# KiCad board revxlp.kicad_pcb
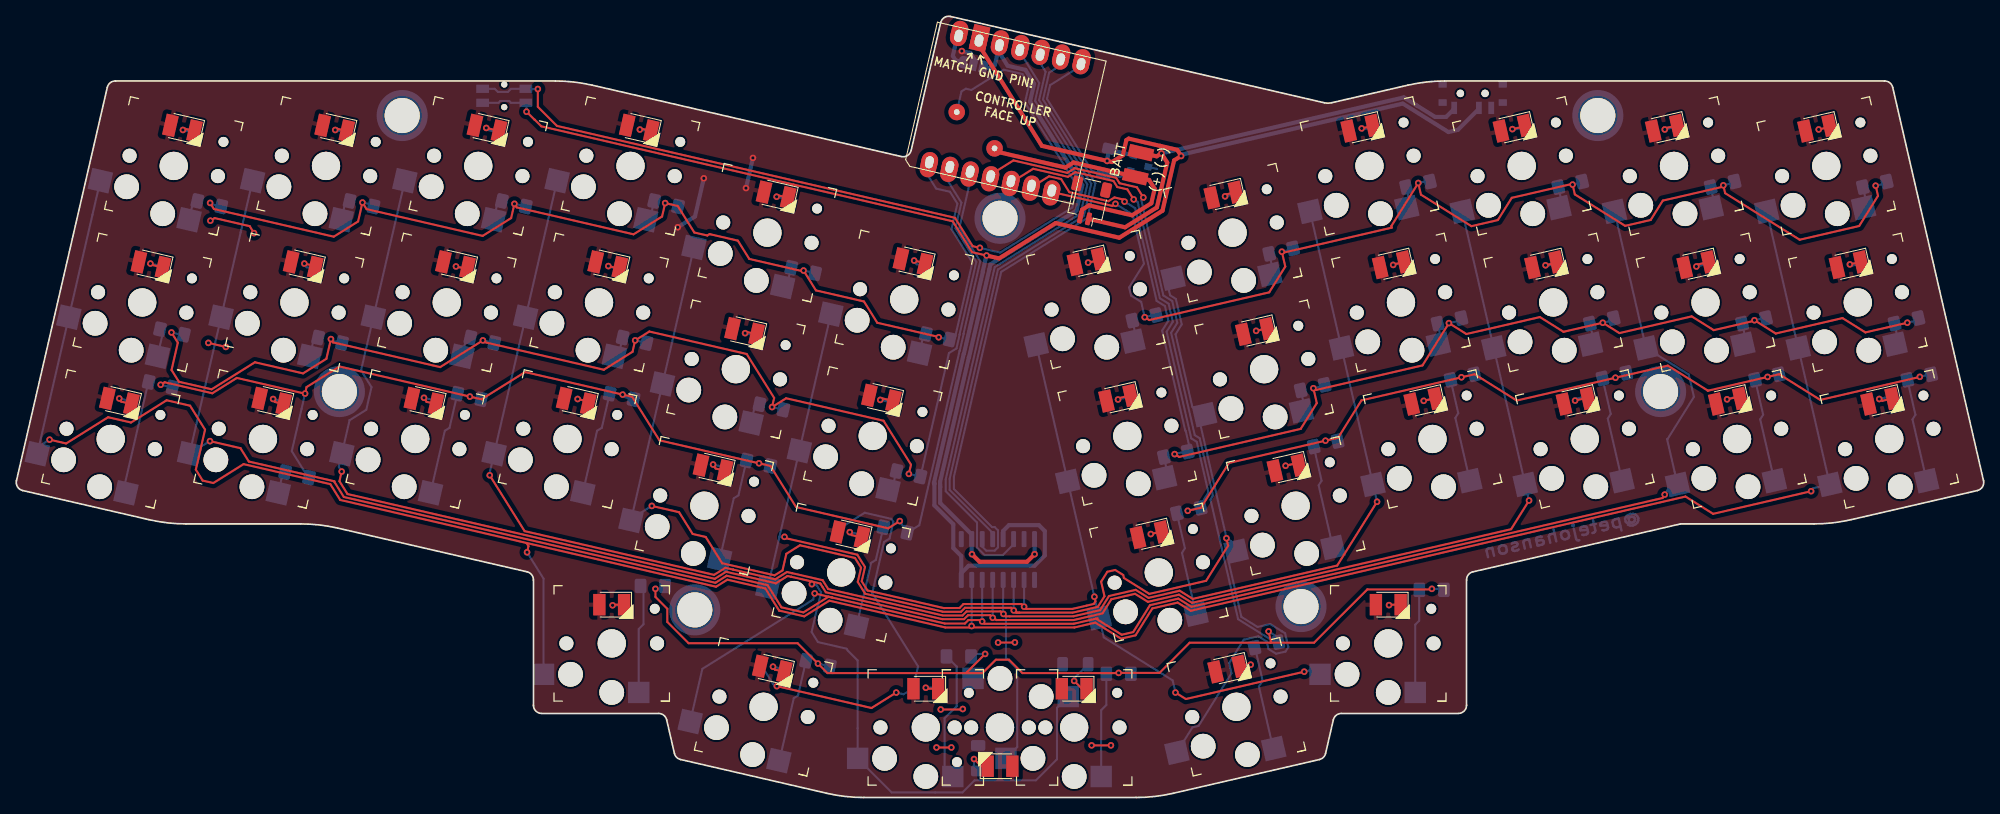
[diagram p0: board, top side]
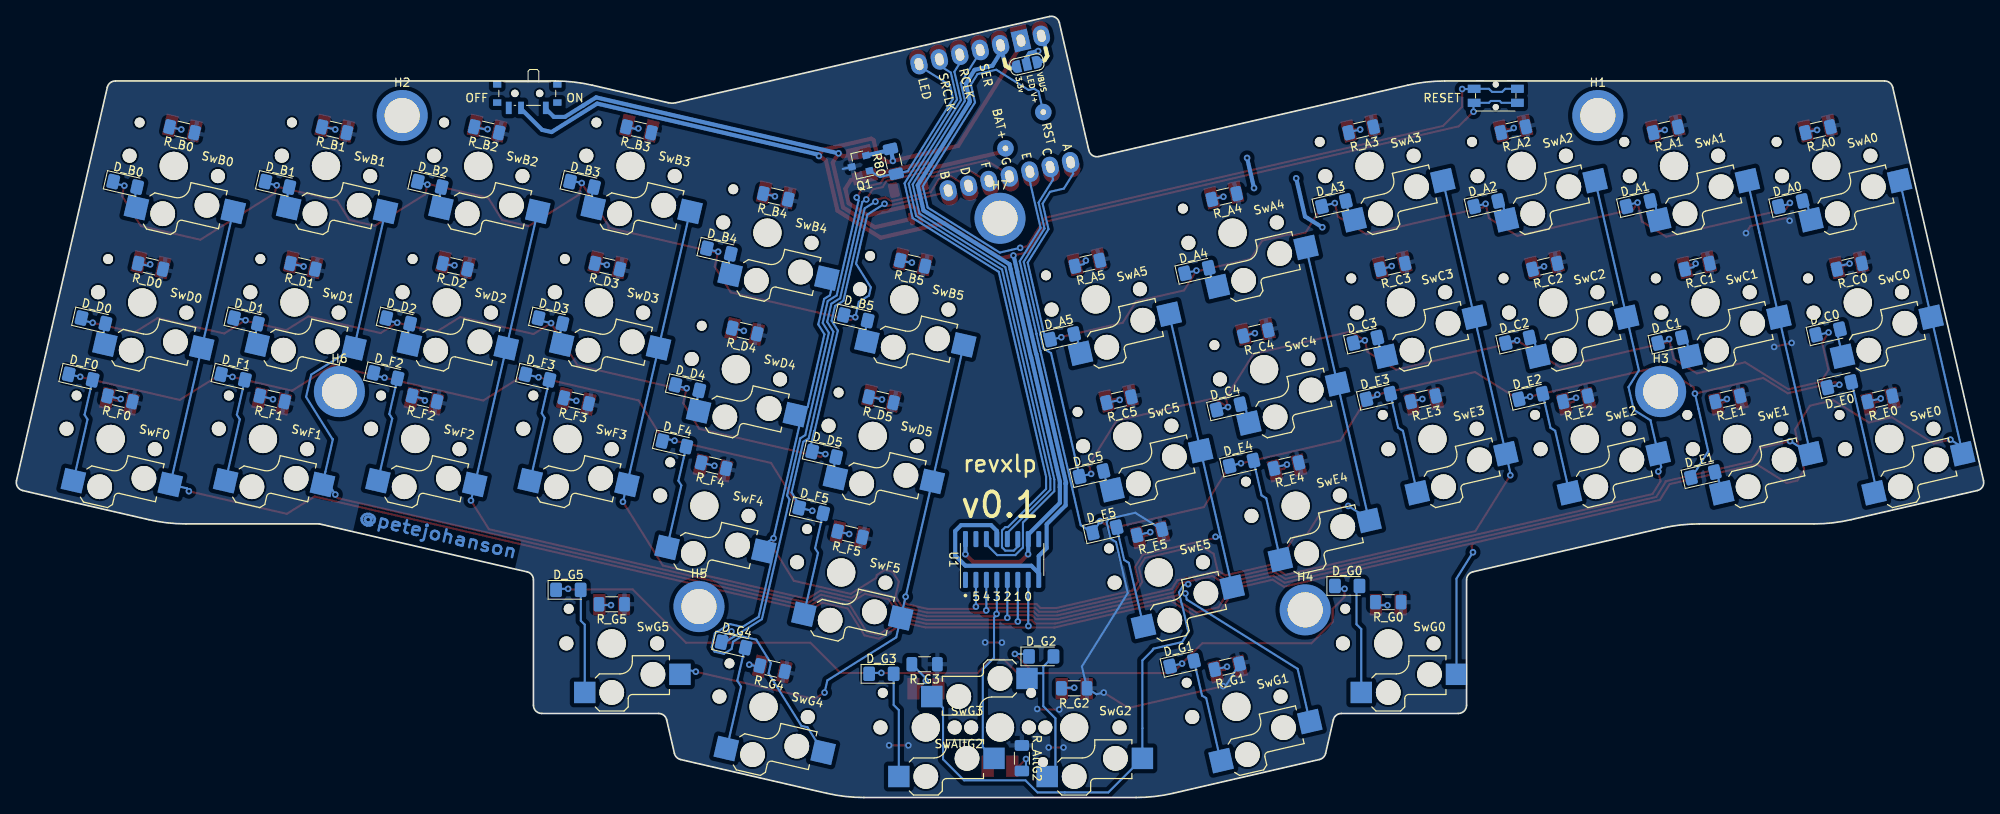
[diagram p1: board, bottom side, seen from below]

Outline 238.65 x 94.76 mm; copper layers: Top, Bottom. Coordinates in mm from the lower left corner of the outline.
Stack: Top 0.035mm / dielectric 1.51mm FR4 er 4.5 / Bottom 0.035mm

## Placement (name value [footprint] x y rotation side)
BT1  Battery_Cell  [cell_pads]  136.07 76.78 77 top
BT2  Battery_Cell  [JST_SH_SM02B-SRSS-TB_1x02-1MP_P1.00mm_Horizontal]  130.02 72.27 167 top
D_A0  D  [D_1206_3216Metric_Pad1.42x1.75mm_HandSolder]  23.4 72.04 167 bottom
D_A1  D  [D_1206_3216Metric_Pad1.42x1.75mm_HandSolder]  41.87 72.04 167 bottom
D_A2  D  [D_1206_3216Metric_Pad1.42x1.75mm_HandSolder]  60.34 72.04 167 bottom
D_A3  D  [D_1206_3216Metric_Pad1.42x1.75mm_HandSolder]  78.82 72.04 167 bottom
D_A4  D  [D_1206_3216Metric_Pad1.42x1.75mm_HandSolder]  95.44 63.94 167 bottom
D_A5  D  [D_1206_3216Metric_Pad1.42x1.75mm_HandSolder]  111.78 55.9 167 bottom
D_B0  D  [D_1206_3216Metric_Pad1.42x1.75mm_HandSolder]  225.46 74.4 193 bottom
D_B1  D  [D_1206_3216Metric_Pad1.42x1.75mm_HandSolder]  207 74.4 193 bottom
D_B2  D  [D_1206_3216Metric_Pad1.42x1.75mm_HandSolder]  188.51 74.4 193 bottom
D_B3  D  [D_1206_3216Metric_Pad1.42x1.75mm_HandSolder]  170.04 74.4 193 bottom
D_B4  D  [D_1206_3216Metric_Pad1.42x1.75mm_HandSolder]  153.43 66.3 193 bottom
D_B5  D  [D_1206_3216Metric_Pad1.42x1.75mm_HandSolder]  136.83 58.2 193 bottom
D_C0  D  [D_1206_3216Metric_Pad1.42x1.75mm_HandSolder]  18.87 56.49 167 bottom
D_C1  D  [D_1206_3216Metric_Pad1.42x1.75mm_HandSolder]  38.04 55.48 167 bottom
D_C2  D  [D_1206_3216Metric_Pad1.42x1.75mm_HandSolder]  56.52 55.48 167 bottom
D_C3  D  [D_1206_3216Metric_Pad1.42x1.75mm_HandSolder]  74.99 55.48 167 bottom
D_C4  D  [D_1206_3216Metric_Pad1.42x1.75mm_HandSolder]  91.6 47.38 167 bottom
D_C5  D  [D_1206_3216Metric_Pad1.42x1.75mm_HandSolder]  108.22 39.28 167 bottom
D_D0  D  [D_1206_3216Metric_Pad1.42x1.75mm_HandSolder]  229.31 57.84 193 bottom
D_D1  D  [D_1206_3216Metric_Pad1.42x1.75mm_HandSolder]  210.81 57.84 193 bottom
D_D2  D  [D_1206_3216Metric_Pad1.42x1.75mm_HandSolder]  192.34 57.84 193 bottom
D_D3  D  [D_1206_3216Metric_Pad1.42x1.75mm_HandSolder]  173.86 57.84 193 bottom
D_D4  D  [D_1206_3216Metric_Pad1.42x1.75mm_HandSolder]  157.26 49.74 193 bottom
D_D5  D  [D_1206_3216Metric_Pad1.42x1.75mm_HandSolder]  140.65 41.64 193 bottom
D_E0  D  [D_1206_3216Metric_Pad1.42x1.75mm_HandSolder]  17.49 50.08 167 bottom
D_E1  D  [D_1206_3216Metric_Pad1.42x1.75mm_HandSolder]  34.05 39.15 167 bottom
D_E2  D  [D_1206_3216Metric_Pad1.42x1.75mm_HandSolder]  54.94 48.66 167 bottom
D_E3  D  [D_1206_3216Metric_Pad1.42x1.75mm_HandSolder]  73.42 48.66 167 bottom
D_E4  D  [D_1206_3216Metric_Pad1.42x1.75mm_HandSolder]  90.02 40.56 167 bottom
D_E5  D  [D_1206_3216Metric_Pad1.42x1.75mm_HandSolder]  106.62 32.46 167 bottom
D_F0  D  [D_1206_3216Metric_Pad1.42x1.75mm_HandSolder]  230.86 51.01 193 bottom
D_F1  D  [D_1206_3216Metric_Pad1.42x1.75mm_HandSolder]  212.38 51.01 193 bottom
D_F2  D  [D_1206_3216Metric_Pad1.42x1.75mm_HandSolder]  193.87 51.19 193 bottom
D_F3  D  [D_1206_3216Metric_Pad1.42x1.75mm_HandSolder]  175.44 51.01 193 bottom
D_F4  D  [D_1206_3216Metric_Pad1.42x1.75mm_HandSolder]  158.83 42.92 193 bottom
D_F5  D  [D_1206_3216Metric_Pad1.42x1.75mm_HandSolder]  142.23 34.82 193 bottom
D_G0  D  [D_1206_3216Metric_Pad1.42x1.75mm_HandSolder]  77.2 25.67 180 bottom
D_G1  D  [D_1206_3216Metric_Pad1.42x1.75mm_HandSolder]  97.24 16.25 167 bottom
D_G2  D  [D_1206_3216Metric_Pad1.42x1.75mm_HandSolder]  114.32 17.12 180 bottom
D_G3  D  [D_1206_3216Metric_Pad1.42x1.75mm_HandSolder]  133.71 15.01 180 bottom
D_G4  D  [D_1206_3216Metric_Pad1.42x1.75mm_HandSolder]  151.65 18.52 193 bottom
D_G5  D  [D_1206_3216Metric_Pad1.42x1.75mm_HandSolder]  171.69 25.2 180 bottom
H1  MountingHole  [MountingHole_3mm_Pad_NonPTH_TopOnly]  46.79 82.74 180 bottom
H2  MountingHole  [MountingHole_3mm_Pad_NonPTH_TopOnly]  191.85 82.74 180 bottom
H3  MountingHole  [MountingHole_3mm_Pad_NonPTH_TopOnly]  39.18 49.25 180 bottom
H4  MountingHole  [MountingHole_3mm_Pad_NonPTH_TopOnly]  82.29 22.77 180 bottom
H5  MountingHole  [MountingHole_3mm_Pad_NonPTH_TopOnly]  155.84 23.17 180 bottom
H6  MountingHole  [MountingHole_3mm_Pad_NonPTH_TopOnly]  199.47 49.25 180 bottom
H7  MountingHole  [MountingHole_3mm_Pad_NonPTH_TopOnly]  119.32 70.28 180 bottom
JP1  SolderJumper_3_Open  [SolderJumper-3_P1.3mm_Open_RoundedPad1.0x1.5mm]  116.07 88.95 167 bottom
OUTLINE1  Board outline  [rev41lp_edgecutBottomPlate]  119.32 86.94 0 top
Q1  AO3416 N-channel MOSFET  [SOT-23]  136.33 76.74 347 bottom
R80  4.7k  [R_1206_3216Metric_Pad1.30x1.75mm_HandSolder]  132.26 77.19 77 bottom
R_A0  R  [R_1206_3216Metric_Pad1.30x1.75mm_HandSolder]  20.09 81.02 347 bottom
R_A1  R  [R_1206_3216Metric_Pad1.30x1.75mm_HandSolder]  38.56 81.02 347 bottom
R_A2  R  [R_1206_3216Metric_Pad1.30x1.75mm_HandSolder]  57.04 81.02 347 bottom
R_A3  R  [R_1206_3216Metric_Pad1.30x1.75mm_HandSolder]  75.51 81.02 347 bottom
R_A4  R  [R_1206_3216Metric_Pad1.30x1.75mm_HandSolder]  92.12 72.92 347 bottom
R_A5  R  [R_1206_3216Metric_Pad1.30x1.75mm_HandSolder]  108.72 64.82 347 bottom
R_AltG2  R  [R_1206_3216Metric_Pad1.30x1.75mm_HandSolder]  116.67 4.77 270 bottom
R_B0  R  [R_1206_3216Metric_Pad1.30x1.75mm_HandSolder]  218.56 81.02 13 bottom
R_B1  R  [R_1206_3216Metric_Pad1.30x1.75mm_HandSolder]  200.08 81.02 13 bottom
R_B2  R  [R_1206_3216Metric_Pad1.30x1.75mm_HandSolder]  181.61 81.02 13 bottom
R_B3  R  [R_1206_3216Metric_Pad1.30x1.75mm_HandSolder]  163.14 81.02 13 bottom
R_B4  R  [R_1206_3216Metric_Pad1.30x1.75mm_HandSolder]  146.53 72.92 13 bottom
R_B5  R  [R_1206_3216Metric_Pad1.30x1.75mm_HandSolder]  129.93 64.82 13 bottom
R_C0  R  [R_1206_3216Metric_Pad1.30x1.75mm_HandSolder]  16.27 64.45 347 bottom
R_C1  R  [R_1206_3216Metric_Pad1.30x1.75mm_HandSolder]  34.74 64.45 347 bottom
R_C2  R  [R_1206_3216Metric_Pad1.30x1.75mm_HandSolder]  53.21 64.45 347 bottom
R_C3  R  [R_1206_3216Metric_Pad1.30x1.75mm_HandSolder]  71.69 64.45 347 bottom
R_C4  R  [R_1206_3216Metric_Pad1.30x1.75mm_HandSolder]  88.29 56.35 347 bottom
R_C5  R  [R_1206_3216Metric_Pad1.30x1.75mm_HandSolder]  104.9 48.26 347 bottom
R_D0  R  [R_1206_3216Metric_Pad1.30x1.75mm_HandSolder]  222.38 64.45 13 bottom
R_D1  R  [R_1206_3216Metric_Pad1.30x1.75mm_HandSolder]  203.91 64.45 13 bottom
R_D2  R  [R_1206_3216Metric_Pad1.30x1.75mm_HandSolder]  185.43 64.45 13 bottom
R_D3  R  [R_1206_3216Metric_Pad1.30x1.75mm_HandSolder]  166.96 64.45 13 bottom
R_D4  R  [R_1206_3216Metric_Pad1.30x1.75mm_HandSolder]  150.3 56.6 13 bottom
R_D5  R  [R_1206_3216Metric_Pad1.30x1.75mm_HandSolder]  133.75 48.26 13 bottom
R_E0  R  [R_1206_3216Metric_Pad1.30x1.75mm_HandSolder]  12.56 48.38 347 bottom
R_E1  R  [R_1206_3216Metric_Pad1.30x1.75mm_HandSolder]  31.03 48.38 347 bottom
R_E2  R  [R_1206_3216Metric_Pad1.30x1.75mm_HandSolder]  49.5 48.38 347 bottom
R_E3  R  [R_1206_3216Metric_Pad1.30x1.75mm_HandSolder]  67.98 48.38 347 bottom
R_E4  R  [R_1206_3216Metric_Pad1.30x1.75mm_HandSolder]  84.58 40.28 347 bottom
R_E5  R  [R_1206_3216Metric_Pad1.30x1.75mm_HandSolder]  101.18 32.18 347 bottom
R_F0  R  [R_1206_3216Metric_Pad1.30x1.75mm_HandSolder]  226.09 48.38 13 bottom
R_F1  R  [R_1206_3216Metric_Pad1.30x1.75mm_HandSolder]  207.62 48.38 13 bottom
R_F2  R  [R_1206_3216Metric_Pad1.30x1.75mm_HandSolder]  189.14 48.38 13 bottom
R_F3  R  [R_1206_3216Metric_Pad1.30x1.75mm_HandSolder]  170.73 48.13 13 bottom
R_F4  R  [R_1206_3216Metric_Pad1.30x1.75mm_HandSolder]  154.07 40.28 13 bottom
R_F5  R  [R_1206_3216Metric_Pad1.30x1.75mm_HandSolder]  137.52 31.93 13 bottom
R_G0  R  [R_1206_3216Metric_Pad1.30x1.75mm_HandSolder]  72.22 23.7 0 bottom
R_G1  R  [R_1206_3216Metric_Pad1.30x1.75mm_HandSolder]  91.77 15.88 347 bottom
R_G2  R  [R_1206_3216Metric_Pad1.30x1.75mm_HandSolder]  110.32 13.25 0 bottom
R_G3  R  [R_1206_3216Metric_Pad1.30x1.75mm_HandSolder]  128.47 16.17 0 bottom
R_G4  R  [R_1206_3216Metric_Pad1.30x1.75mm_HandSolder]  146.94 15.64 13 bottom
R_G5  R  [R_1206_3216Metric_Pad1.30x1.75mm_HandSolder]  166.43 23.45 0 bottom
SW1  SW_SPDT  [SW_SPDT_PCM12]  176.68 85.1 0 bottom
SW2  SW_Push  [Panasonic_EVQPUL_EVQPUC]  59.18 85.14 180 bottom
SwA0  SW_Push  [PG1350_socket_smdLed]  19.08 76.63 347 top
SwA1  SW_Push  [PG1350_socket_smdLed]  37.55 76.63 347 top
SwA2  SW_Push  [PG1350_socket_smdLed]  56.03 76.63 347 top
SwA3  SW_Push  [PG1350_socket_smdLed]  74.5 76.63 347 top
SwA4  SW_Push  [PG1350_socket_smdLed]  91.1 68.53 347 top
SwA5  SW_Push  [PG1350_socket_smdLed]  107.71 60.44 347 top
SwAltG2  SW_Push  [PG1350_socket_smdLed]  119.32 8.5 180 top
SwB0  SW_Push  [PG1350_socket_smdLed]  219.57 76.63 13 top
SwB1  SW_Push  [PG1350_socket_smdLed]  201.09 76.63 13 top
SwB2  SW_Push  [PG1350_socket_smdLed]  182.62 76.63 13 top
SwB3  SW_Push  [PG1350_socket_smdLed]  164.15 76.63 13 top
SwB4  SW_Push  [PG1350_socket_smdLed]  147.54 68.53 13 top
SwB5  SW_Push  [PG1350_socket_smdLed]  130.94 60.44 13 top
SwC0  SW_Push  [PG1350_socket_smdLed]  15.25 60.07 347 top
SwC1  SW_Push  [PG1350_socket_smdLed]  33.73 60.07 347 top
SwC2  SW_Push  [PG1350_socket_smdLed]  52.2 60.07 347 top
SwC3  SW_Push  [PG1350_socket_smdLed]  70.68 60.07 347 top
SwC4  SW_Push  [PG1350_socket_smdLed]  87.28 51.97 347 top
SwC5  SW_Push  [PG1350_socket_smdLed]  103.88 43.87 347 top
SwD0  SW_Push  [PG1350_socket_smdLed]  223.39 60.07 13 top
SwD1  SW_Push  [PG1350_socket_smdLed]  204.92 60.07 13 top
SwD2  SW_Push  [PG1350_socket_smdLed]  186.45 60.07 13 top
SwD3  SW_Push  [PG1350_socket_smdLed]  167.97 60.07 13 top
SwD4  SW_Push  [PG1350_socket_smdLed]  151.37 51.97 13 top
SwD5  SW_Push  [PG1350_socket_smdLed]  134.76 43.87 13 top
SwE0  SW_Push  [PG1350_socket_smdLed]  11.43 43.5 347 top
SwE1  SW_Push  [PG1350_socket_smdLed]  29.9 43.5 347 top
SwE2  SW_Push  [PG1350_socket_smdLed]  48.38 43.5 347 top
SwE3  SW_Push  [PG1350_socket_smdLed]  66.85 43.5 347 top
SwE4  SW_Push  [PG1350_socket_smdLed]  83.46 35.4 347 top
SwE5  SW_Push  [PG1350_socket_smdLed]  100.06 27.31 347 top
SwF0  SW_Push  [PG1350_socket_smdLed]  227.22 43.5 13 top
SwF1  SW_Push  [PG1350_socket_smdLed]  208.74 43.5 13 top
SwF2  SW_Push  [PG1350_socket_smdLed]  190.27 43.5 13 top
SwF3  SW_Push  [PG1350_socket_smdLed]  171.8 43.5 13 top
SwF4  SW_Push  [PG1350_socket_smdLed]  155.19 35.4 13 top
SwF5  SW_Push  [PG1350_socket_smdLed]  138.59 27.31 13 top
SwG0  SW_Push  [PG1350_socket_smdLed]  72.22 18.7 0 top
SwG1  SW_Push  [PG1350_socket_smdLed]  90.64 11.01 347 top
SwG2  SW_Push  [PG1350_socket_smdLed]  110.32 8.5 0 top
SwG3  SW_Push  [PG1350_socket_smdLed]  128.32 8.5 0 top
SwG4  SW_Push  [PG1350_socket_smdLed]  148 11.01 13 top
SwG5  SW_Push  [PG1350_socket_smdLed]  166.43 18.7 0 top
U1  74HC595  [SOIC-16_3.9x9.9mm_P1.27mm]  119.07 28.88 90 bottom
U2  SeeeduinoXIAO_BLE  [SeeeduinoXIAO-WideMouth-2.54-21X17.8MM]  128.19 72 77 top

## Library data of the parts
BT2 = -: lcsc part number: C160402
D_A0-D_A5 D_B0-D_B5 D_C0-D_C5 D_D0-D_D5 D_E0-D_E5 D_F0-D_F5 D_G0-D_G5 = -: lcsc part number: C81598; ki_fp_filters: TO-???* *_Diode_* *SingleDiode* D_*
H1-H7 = -: LCSC Part Number: C2915626; ki_fp_filters: MountingHole*
JP1 = -: ki_fp_filters: SolderJumper*Open*
OUTLINE1 = -: Description: board outline; Sim.Enable: 0
Q1 = -: LCSC Part Number: C479060
R80 = -: LCSC Part Number: C17936; ki_fp_filters: R_*
R_A0-R_A5 R_AltG2 R_B0-R_B5 R_C0-R_C5 R_D0-R_D5 R_E0-R_E5 R_F0-R_F5 R_G0-R_G5 = -: LCSC Part Number: C17901; ki_fp_filters: R_*
SW1 = -: LCSC Part Number: C221841
SW2 = -: LCSC Part Number: C79174
U1 = -: Datasheet: http://www.ti.com/lit/ds/symlink/sn74hc595.pdf; LCSC Part Number: C10092; ki_fp_filters: DIP*W7.62mm* SOIC*3.9x9.9mm*P1.27mm* TSSOP*4.4x5mm*P0.65mm* SOIC*5.3x10.2mm*P1.27mm* SOIC*7.5x10.3mm*P1.27mm*

## Footprints (pads in the part's own frame, mm; a bottom-side part is the same pattern mirrored in y, then rotated)
cell_pads
  rect 1.5x3 smd: 1(-1.5,0) 2(1.5,0)
D_1206_3216Metric_Pad1.42x1.75mm_HandSolder
  rrect 1.425x1.75 smd: 1(-1.488,0) 2(1.488,0)
JST_SH_SM02B-SRSS-TB_1x02-1MP_P1.00mm_Horizontal
  rrect 0.6x1.55 smd: 1(-0.5,2) 2(0.5,2)
  rrect 1.2x1.8 smd: MP(-1.8,-1.875) MP(1.8,-1.875)
MountingHole_3mm_Pad_NonPTH_TopOnly
  round 4.25 hole 4.25 unplated: (0,0)
  round 6.2 smd: 1(0,0)
Panasonic_EVQPUL_EVQPUC
  round 0.75 hole 0.75 unplated: (0,-1.375) (0,1.375)
  rect 1.55x1 smd: 1(-2.625,0.85) 1(2.625,0.85) 2(-2.625,-0.85) 2(2.625,-0.85)
PG1350_socket_smdLed
  round 1.702 hole 1.702 unplated: (-5.5,0) (5.5,0)
  round 3 hole 3 unplated: (-5,-3.75) (0,-5.95)
  round 3.429 hole 3.429 unplated: (0,0)
  round 1.2 hole 1.2 unplated: (5.22,4.2)
  rect 2.6x2.6 smd far side: 1(3.275,-5.95) 2(-8.275,-3.75)
  rect 1.5x2.6 smd: 3(1.5,4.7) 4(-1.5,4.7)
R_1206_3216Metric_Pad1.30x1.75mm_HandSolder
  rrect 1.3x1.75 smd: 1(-1.55,0) 2(1.55,0)
SeeeduinoXIAO-WideMouth-2.54-21X17.8MM
  oval 2.5x2 hole 1.5x1: 1(1.02,18.12) 2(1.02,15.585) 3(1.02,13.049) 4(1.02,10.5) 5(1.02,7.962) 6(1.02,5.422) 7(1.02,2.888) 8(16.76,2.878) 9(16.76,5.418) 10(16.76,7.958) 11(16.76,10.498) 12(16.76,13.038) 14(16.76,18.118)
  oval 3x2 smd: 1(1.27,18.118) 2(1.27,15.578) 3(1.27,13.049) 4(1.27,10.498) 5(1.27,7.958) 6(1.27,5.418) 7(1.27,2.878) 8(16.51,2.878) 9(16.51,5.418) 10(16.51,7.958) 11(16.51,10.498) 12(16.51,13.038) 14(16.51,18.118)
  rect 3x2 smd: 13(16.51,15.578)
  rect 2.5x2 hole 1.5x1: 13(16.76,15.578)
  round 2 hole 0.7: 15(7.699,16.264) 16(4.44,10.8)
SOIC-16_3.9x9.9mm_P1.27mm
  rrect 1.95x0.6 smd: 1(-2.475,4.445) 2(-2.475,3.175) 3(-2.475,1.905) 4(-2.475,0.635) 5(-2.475,-0.635) 6(-2.475,-1.905) 7(-2.475,-3.175) 8(-2.475,-4.445) 9(2.475,-4.445) 10(2.475,-3.175) 11(2.475,-1.905) 12(2.475,-0.635) 13(2.475,0.635) 14(2.475,1.905) 15(2.475,3.175) 16(2.475,4.445)
SolderJumper-3_P1.3mm_Open_RoundedPad1.0x1.5mm
  custom 1.05x1.5 smd: 1(-1.3,0) 3(1.3,0)
  rect 1x1.5 smd: 2(0,0)
SOT-23
  rect 0.9x0.8 smd: 1(-1,0.95) 2(-1,-0.95) 3(1,0)
SW_SPDT_PCM12
  rect 1x0.8 smd: (-3.65,-1.43) (-3.65,0.78) (3.65,-1.43) (3.65,0.78)
  round 0.9 hole 0.9 unplated: (-1.5,-0.33) (1.5,-0.33)
  rect 0.7x1.5 smd: 1(-2.25,1.43) 2(0.75,1.43) 3(2.25,1.43)

## Nets
+3V3: JP1.1 U1.10 U1.16 U2.12
+5V: JP1.2 SwA0.4 SwA1.4 SwA2.4 SwA3.4 SwA4.4 SwA5.4 SwAltG2.4 SwB0.4 SwB1.4 SwB2.4 SwB3.4 SwB4.4 SwB5.4 SwC0.4 SwC1.4 SwC2.4 SwC3.4 SwC4.4 SwC5.4 SwD0.4 SwD1.4 SwD2.4 SwD3.4 SwD4.4 SwD5.4 SwE0.4 SwE1.4 SwE2.4 SwE3.4 SwE4.4 SwE5.4 SwF0.4 SwF1.4 SwF2.4 SwF3.4 SwF4.4 SwF5.4 SwG0.4 SwG1.4 SwG2.4 SwG3.4 SwG4.4 SwG5.4
GND: Q1.2 R80.2 SW1.2 SW2.2 U1.8 U1.13 U2.13
BAT+: BT1.1 BT2.2 U2.16
col0: SwA0.2 SwB0.2 SwC0.2 SwD0.2 SwE0.2 SwF0.2 SwG0.2 U1.7
col1: SwA1.2 SwB1.2 SwC1.2 SwD1.2 SwE1.2 SwF1.2 SwG1.2 U1.6
col2: SwA2.2 SwAltG2.2 SwB2.2 SwC2.2 SwD2.2 SwE2.2 SwF2.2 SwG2.2 U1.5
col3: SwA3.2 SwB3.2 SwC3.2 SwD3.2 SwE3.2 SwF3.2 SwG3.2 U1.4
col4: SwA4.2 SwB4.2 SwC4.2 SwD4.2 SwE4.2 SwF4.2 SwG4.2 U1.3
col5: SwA5.2 SwB5.2 SwC5.2 SwD5.2 SwE5.2 SwF5.2 SwG5.2 U1.2
ledOut: Q1.3 R_A0.1 R_A1.1 R_A2.1 R_A3.1 R_A4.1 R_A5.1 R_AltG2.1 R_B0.1 R_B1.1 R_B2.1 R_B3.1 R_B4.1 R_B5.1 R_C0.1 R_C1.1 R_C2.1 R_C3.1 R_C4.1 R_C5.1 R_D0.1 R_D1.1 R_D2.1 R_D3.1 R_D4.1 R_D5.1 R_E0.1 R_E1.1 R_E2.1 R_E3.1 R_E4.1 R_E5.1 R_F0.1 R_F1.1 R_F2.1 R_F3.1 R_F4.1 R_F5.1 R_G0.1 R_G1.1 R_G2.1 R_G3.1 R_G4.1 R_G5.1
ledTrig: Q1.1 R80.1 U2.8
MISO: U1.12 U2.10
MOSI: U1.14 U2.11
rowA: D_A0.1 D_A1.1 D_A2.1 D_A3.1 D_A4.1 D_A5.1 U2.1
rowB: D_B0.1 D_B1.1 D_B2.1 D_B3.1 D_B4.1 D_B5.1 U2.7
rowC: D_C0.1 D_C1.1 D_C2.1 D_C3.1 D_C4.1 D_C5.1 U2.2
rowD: D_D0.1 D_D1.1 D_D2.1 D_D3.1 D_D4.1 D_D5.1 U2.6
rowE: D_E0.1 D_E1.1 D_E2.1 D_E3.1 D_E4.1 D_E5.1 U2.3
rowF: D_F0.1 D_F1.1 D_F2.1 D_F3.1 D_F4.1 D_F5.1 U2.5
rowG: D_G0.1 D_G1.1 D_G2.1 D_G3.1 D_G4.1 D_G5.1 U2.4
RST: SW2.1 U2.15
SCK: U1.11 U2.9
Net-(BT1--): BT1.2 BT2.1 SW1.1
Net-(D_A0-A): D_A0.2 SwA0.1
Net-(D_A1-A): D_A1.2 SwA1.1
Net-(D_A2-A): D_A2.2 SwA2.1
Net-(D_A3-A): D_A3.2 SwA3.1
Net-(D_A4-A): D_A4.2 SwA4.1
Net-(D_A5-A): D_A5.2 SwA5.1
Net-(D_B0-A): D_B0.2 SwB0.1
Net-(D_B1-A): D_B1.2 SwB1.1
Net-(D_B2-A): D_B2.2 SwB2.1
Net-(D_B3-A): D_B3.2 SwB3.1
Net-(D_B4-A): D_B4.2 SwB4.1
Net-(D_B5-A): D_B5.2 SwB5.1
Net-(D_C0-A): D_C0.2 SwC0.1
Net-(D_C1-A): D_C1.2 SwC1.1
Net-(D_C2-A): D_C2.2 SwC2.1
Net-(D_C3-A): D_C3.2 SwC3.1
Net-(D_C4-A): D_C4.2 SwC4.1
Net-(D_C5-A): D_C5.2 SwC5.1
Net-(D_D0-A): D_D0.2 SwD0.1
Net-(D_D1-A): D_D1.2 SwD1.1
Net-(D_D2-A): D_D2.2 SwD2.1
Net-(D_D3-A): D_D3.2 SwD3.1
Net-(D_D4-A): D_D4.2 SwD4.1
Net-(D_D5-A): D_D5.2 SwD5.1
Net-(D_E0-A): D_E0.2 SwE0.1
Net-(D_E1-A): D_E1.2 SwE1.1
Net-(D_E2-A): D_E2.2 SwE2.1
Net-(D_E3-A): D_E3.2 SwE3.1
Net-(D_E4-A): D_E4.2 SwE4.1
Net-(D_E5-A): D_E5.2 SwE5.1
Net-(D_F0-A): D_F0.2 SwF0.1
Net-(D_F1-A): D_F1.2 SwF1.1
Net-(D_F2-A): D_F2.2 SwF2.1
Net-(D_F3-A): D_F3.2 SwF3.1
Net-(D_F4-A): D_F4.2 SwF4.1
Net-(D_F5-A): D_F5.2 SwF5.1
Net-(D_G0-A): D_G0.2 SwG0.1
Net-(D_G1-A): D_G1.2 SwG1.1
Net-(D_G2-A): D_G2.2 SwAltG2.1 SwG2.1
Net-(D_G3-A): D_G3.2 SwG3.1
Net-(D_G4-A): D_G4.2 SwG4.1
Net-(D_G5-A): D_G5.2 SwG5.1
Net-(JP1-B): JP1.3
Net-(JP1-Pad3): U2.14
Net-(SwA0-K): R_A0.2 SwA0.3
Net-(SwA1-K): R_A1.2 SwA1.3
Net-(SwA2-K): R_A2.2 SwA2.3
Net-(SwA3-K): R_A3.2 SwA3.3
Net-(SwA4-K): R_A4.2 SwA4.3
Net-(SwA5-K): R_A5.2 SwA5.3
Net-(SwAltG2-K): R_AltG2.2 SwAltG2.3
Net-(SwB0-K): R_B0.2 SwB0.3
Net-(SwB1-K): R_B1.2 SwB1.3
Net-(SwB2-K): R_B2.2 SwB2.3
Net-(SwB3-K): R_B3.2 SwB3.3
Net-(SwB4-K): R_B4.2 SwB4.3
Net-(SwB5-K): R_B5.2 SwB5.3
Net-(SwC0-K): R_C0.2 SwC0.3
Net-(SwC1-K): R_C1.2 SwC1.3
Net-(SwC2-K): R_C2.2 SwC2.3
Net-(SwC3-K): R_C3.2 SwC3.3
Net-(SwC4-K): R_C4.2 SwC4.3
Net-(SwC5-K): R_C5.2 SwC5.3
Net-(SwD0-K): R_D0.2 SwD0.3
Net-(SwD1-K): R_D1.2 SwD1.3
Net-(SwD2-K): R_D2.2 SwD2.3
Net-(SwD3-K): R_D3.2 SwD3.3
Net-(SwD4-K): R_D4.2 SwD4.3